# Altium PCB waffling80-MXHS.PcbDoc (part 1 of 4)
Units mm, origin at the board's own origin, x right, y up, seen from the top; angles counter-clockwise.
Board outline 343.71 x 124.25 mm, 2 copper layers (Component Side, Bottom Layer), stack 1.171 mm thick; 236 components, 142 nets, 2180 pads, 184 vias.
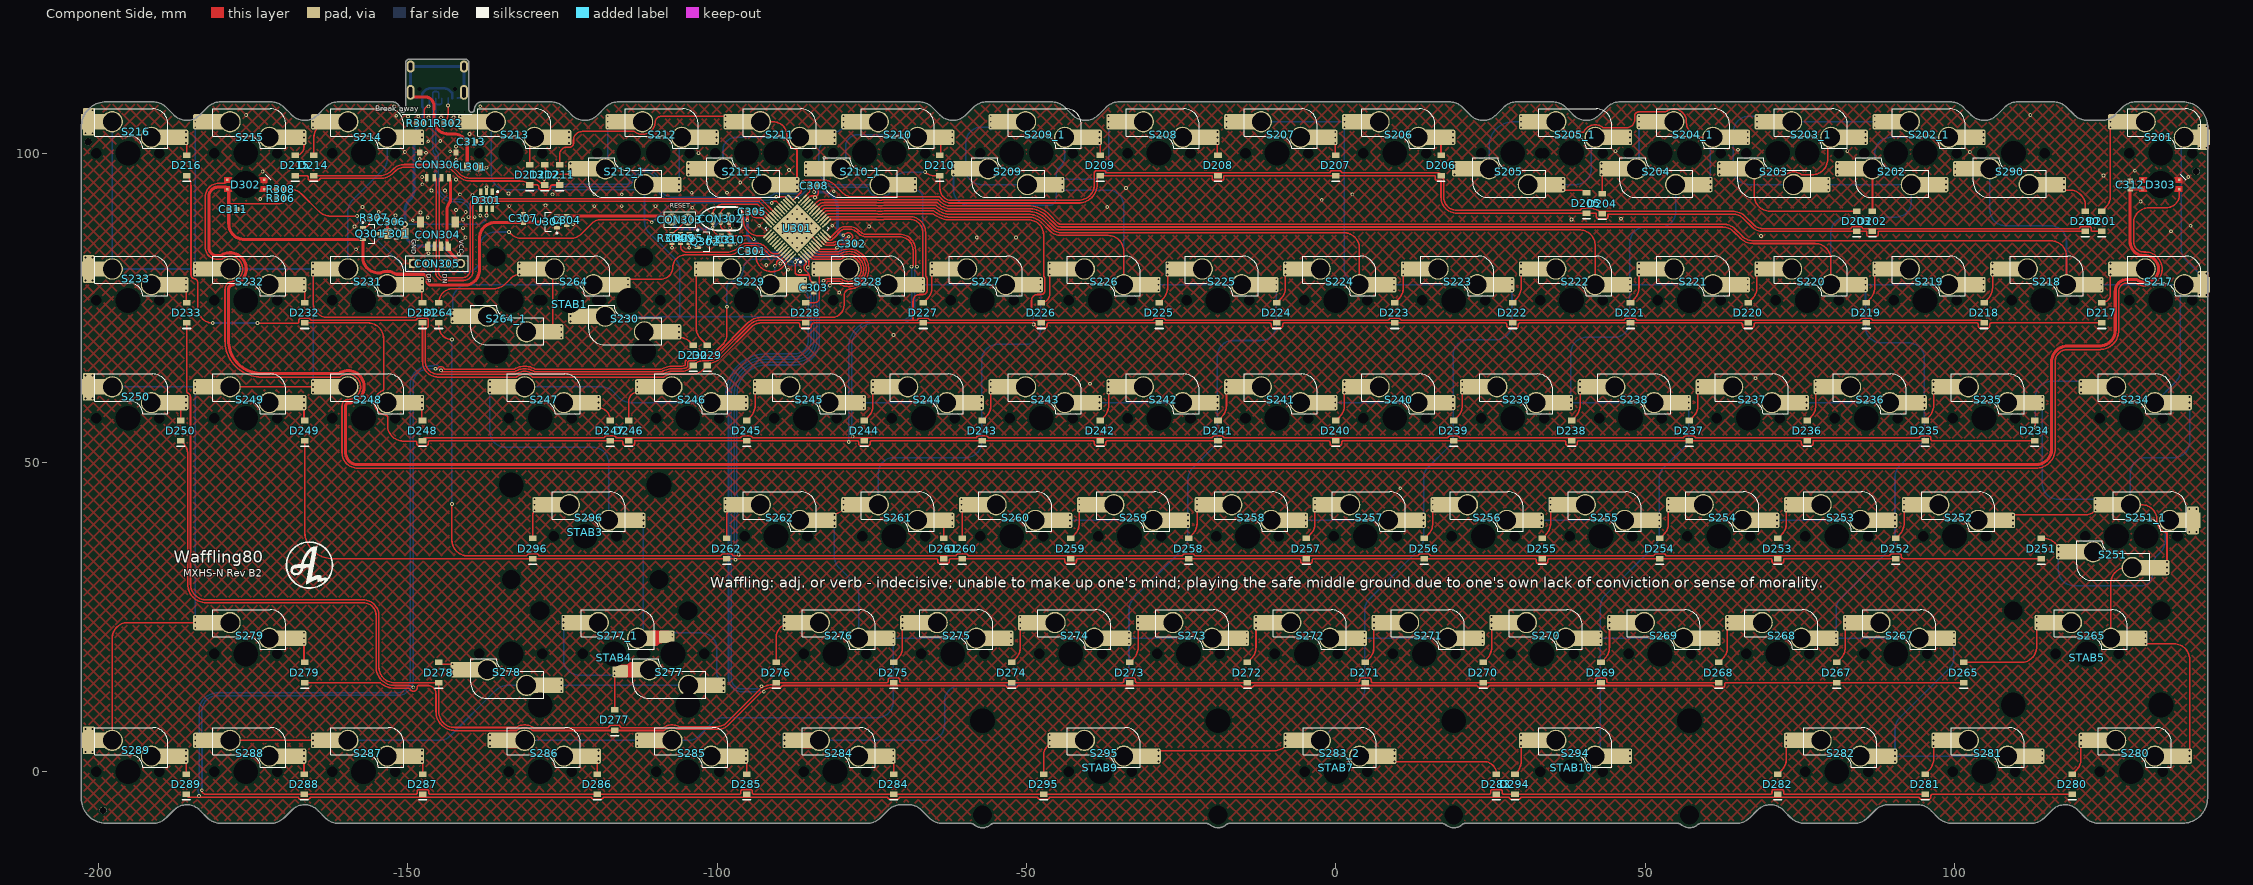
[diagram p0: Component Side view]
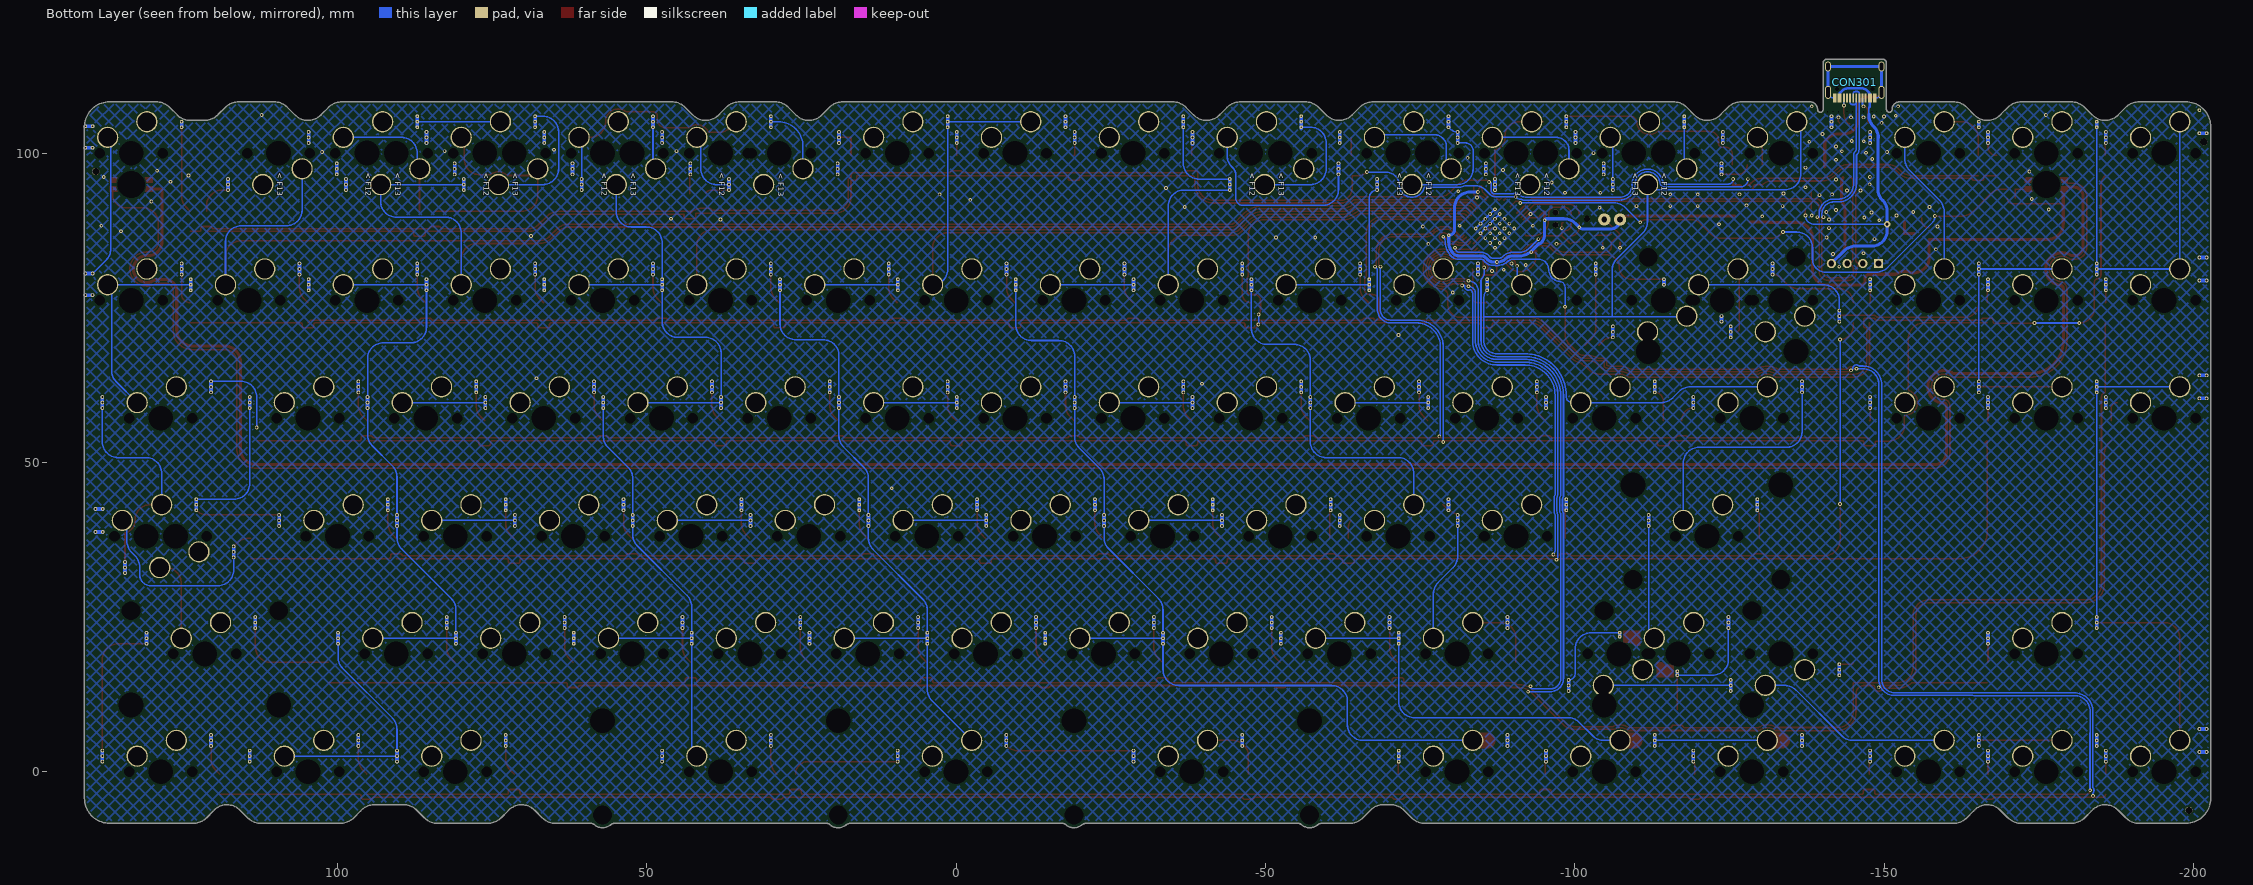
[diagram p1: Bottom Layer view, seen from below]

## Layer stack, top to bottom
Top Solder: solder mask 0.0102, Solder Resist, Dk 3.5
Component Side: signal copper 0.0356
Dielectric 1: core 1.1, FR-4, Dk 4.2
Bottom Layer: signal copper 0.0356
Solder Side: solder mask 0.0102, Solder Resist, Dk 3.5

## Board outline
-198.827,-8.32 ccw(c-198.826,-8.288) -198.826,-8.32 -198.827,-8.32 cw(c-198.763,-4.271) -202.813,-4.271 cw(c-202.763,-4.271) -202.813,-4.271 -202.813,104.255 cw(c-202.763,104.262) -202.813,104.262 cw(c-198.763,104.262) -198.763,108.312 -191.24,108.312 cw(c-191.24,105.196) -189.036,107.4 -187.966,106.33 cw(c-188.001,106.294) -187.963,106.327 ccw(c-185.737,108.262) -183.636,106.192 cw(c-183.598,106.154) -183.635,106.193 -182.428,107.4 cw(c-180.225,105.196) -180.225,108.312 -172.19,108.312 cw(c-172.19,105.196) -169.986,107.4 -168.916,106.33 cw(c-168.951,106.294) -168.913,106.327 ccw(c-166.687,108.262) -164.586,106.192 cw(c-164.548,106.154) -164.585,106.193 -163.378,107.4 cw(c-161.175,105.196) -161.175,108.312 -152.543,108.312 cw(c-152.543,107.056) -151.286,107.056 ccw(c-150.837,107.056) -150.387,107.056 -150.387,114.552 cw(c-149.727,114.552) -149.727,115.212 -140.787,115.212 cw(c-140.787,114.568) -140.143,114.568 -140.143,107.056 ccw(c-139.693,107.056) -139.243,107.056 cw(c-137.987,107.056) -137.987,108.312 -126.93,108.312 cw(c-126.93,105.196) -124.727,107.4 -123.657,106.33 cw(c-123.692,106.294) -123.654,106.327 ccw(c-121.428,108.262) -119.327,106.192 cw(c-119.288,106.154) -119.326,106.193 -118.119,107.4 cw(c-115.915,105.196) -115.916,108.312 cw(c-115.915,108.264) -115.915,108.312 -67.416,108.312 cw(c-67.416,105.196) -65.212,107.4 -64.142,106.33 cw(c-64.177,106.294) -64.139,106.327 ccw(c-61.913,108.262) -59.812,106.192 cw(c-59.774,106.154) -59.811,106.193 -58.604,107.4 cw(c-56.401,105.196) -56.401,108.312 -45.985,108.312 cw(c-45.985,105.196) -43.781,107.4 -42.711,106.33 cw(c-42.746,106.294) -42.708,106.327 ccw(c-40.482,108.262) -38.381,106.192 cw(c-38.343,106.154) -38.38,106.193 -37.173,107.4 cw(c-34.97,105.196) -34.971,108.312 cw(c-34.97,108.264) -34.97,108.312 17.21,108.312 18.295,108.312 cw(c18.295,105.196) 20.499,107.4 21.569,106.33 cw(c21.534,106.294) 21.572,106.327 ccw(c23.798,108.262) 25.899,106.192 cw(c25.937,106.154) 25.9,106.193 27.107,107.4 cw(c29.31,105.196) 29.31,108.312 34.978,108.312 cw(c34.978,105.196) 37.182,107.4 38.252,106.33 cw(c38.217,106.294) 38.255,106.327 ccw(c40.481,108.262) 42.582,106.192 cw(c42.62,106.154) 42.583,106.193 43.79,107.4 cw(c45.993,105.196) 45.993,108.312 47.844,108.312 cw(c47.844,108.262) 47.844,108.312 97.357,108.312 99.272,108.312 cw(c99.272,105.196) 101.476,107.4 102.546,106.33 cw(c102.512,106.295) 102.549,106.327 ccw(c104.775,108.262) 106.876,106.192 cw(c106.901,106.168) 106.877,106.193 108.084,107.4 cw(c110.287,105.196) 110.287,108.312 115.947,108.312 cw(c115.947,105.196) 118.151,107.4 119.181,106.37 cw(c119.146,106.334) 119.184,106.366 ccw(c121.444,108.262) 121.45,105.312 ccw(c121.45,105.421) 121.451,105.312 123.824,105.312 ccw(c123.851,108.324) 123.825,105.312 ccw(c123.826,105.572) 123.826,105.312 ccw(c123.824,108.262) 125.886,106.152 127.133,107.4 cw(c129.337,105.196) 129.337,108.312 136.842,108.312 cw(c136.849,108.263) 136.85,108.313 cw(c136.85,104.262) 140.9,104.262 cw(c140.877,104.262) 140.9,104.262 140.9,-4.263 cw(c140.85,-4.27) 140.9,-4.27 cw(c136.85,-4.27) 136.85,-8.32 123.355,-8.32 cw(c123.355,-5.204) 121.151,-7.408 120.081,-6.338 cw(c120.116,-6.302) 120.078,-6.335 ccw(c117.852,-8.27) 115.751,-6.2 cw(c115.713,-6.162) 115.75,-6.201 114.543,-7.408 cw(c112.34,-5.204) 112.34,-8.32 99.545,-8.32 cw(c99.545,-5.204) 97.341,-7.408 96.271,-6.338 cw(c96.307,-6.302) 96.269,-6.335 ccw(c94.043,-8.27) 94.142,-5.322 cw(c94.144,-5.272) 94.13,-5.32 89.297,-5.32 ccw(c89.297,-8.27) 87.195,-6.2 cw(c87.157,-6.162) 87.195,-6.201 85.988,-7.408 cw(c83.784,-5.204) 83.784,-8.32 75.735,-8.32 cw(c75.735,-5.204) 73.531,-7.408 72.461,-6.338 cw(c72.496,-6.302) 72.458,-6.335 ccw(c70.232,-8.27) 68.131,-6.2 cw(c68.093,-6.162) 68.13,-6.201 66.923,-7.408 cw(c64.72,-5.204) 64.72,-8.32 59.033,-8.32 ccw(c59.062,-9.201) 58.439,-8.578 cw(c58.403,-8.542) 58.435,-8.582 cw(c57.15,-6.985) 55.953,-8.649 cw(c55.959,-8.599) 55.924,-8.635 ccw(c55.164,-9.395) 55.196,-8.32 39.983,-8.32 cw(c39.982,-8.278) 39.982,-8.32 cw(c39.982,-8.27) 39.981,-8.32 20.933,-8.32 ccw(c20.962,-9.201) 20.339,-8.578 cw(c20.303,-8.542) 20.335,-8.582 cw(c19.05,-6.985) 17.853,-8.649 cw(c17.859,-8.599) 17.824,-8.635 ccw(c17.064,-9.395) 17.096,-8.32 -7.58,-8.32 -17.168,-8.32 ccw(c-17.168,-8.27) -17.167,-8.32 ccw(c-17.138,-9.201) -17.761,-8.578 cw(c-17.797,-8.542) -17.765,-8.582 cw(c-19.05,-6.985) -20.247,-8.649 cw(c-20.241,-8.599) -20.276,-8.635 ccw(c-21.036,-9.395) -21.004,-8.32 -40.015,-8.32 cw(c-40.015,-8.27) -40.015,-8.32 -54.649,-8.32 -55.238,-8.32 ccw(c-55.238,-9.201) -55.861,-8.578 cw(c-55.897,-8.542) -55.865,-8.582 cw(c-57.15,-6.986) -58.367,-8.635 cw(c-58.337,-8.594) -58.373,-8.63 ccw(c-59.121,-9.378) -59.121,-8.32 -63.579,-8.32 cw(c-63.578,-5.204) -65.782,-7.408 -66.869,-6.321 cw(c-66.833,-6.285) -66.871,-6.318 ccw(c-69.097,-8.253) -69.097,-5.303 cw(c-69.097,-5.253) -69.098,-5.303 -70.257,-5.303 ccw(c-70.257,-8.253) -72.359,-6.183 cw(c-72.397,-6.146) -72.359,-6.184 -73.583,-7.408 cw(c-75.787,-5.204) -75.787,-8.32 -161.184,-8.32 -161.185,-8.32 cw(c-161.185,-5.204) -163.389,-7.408 -164.459,-6.338 cw(c-164.424,-6.302) -164.462,-6.335 ccw(c-166.688,-8.27) -168.789,-6.2 cw(c-168.827,-6.162) -168.79,-6.201 -169.997,-7.408 cw(c-172.2,-5.204) -172.2,-8.32 -180.235,-8.32 cw(c-180.235,-5.204) -182.439,-7.408 -183.509,-6.338 cw(c-183.473,-6.302) -183.511,-6.335 ccw(c-185.737,-8.27) -187.839,-6.2 cw(c-187.877,-6.163) -187.84,-6.201 -189.046,-7.408 cw(c-191.25,-5.204) -191.25,-8.32 -198.755,-8.32 cw(c-198.762,-8.271) -198.763,-8.321 cw(c-198.763,-4.271)

## Design rules (kind name [scope] priority, off if disabled: settings)
BoardOutlineClearance [All] p1: gap=0.254 ignorepadtopadclearanceinfootprint=FALSE except(0: Arc-SplitContinuation Track-SplitContinuation SMDPad-SplitContinuation THPad-SplitContinuation Via-SplitContinuation Fill-SplitContinuation Poly-SplitContinuation Region-SplitContinuation Text-SplitContinuation)
Clearance [All] p1: gap=0.2 ignorepadtopadclearanceinfootprint=FALSE except(0: Arc-Hole Track-Hole SMDPad-Hole THPad-Hole Via-Hole Fill-Hole Poly-Hole Region-Hole Text-Hole; 0.254: THPad-THPad THPad-Via THPad-Fill THPad-Poly THPad-Region THPad-Text Via-Via Via-Fill Via-Poly Via-Region Via-Text Fill-Fill Fill-Poly Fill-Region Fill-Text Poly-Poly Poly-Region Poly-Text Region-Region Region-Text Text-Text)
ComponentClearance [InComponent('No Component') And OnLayer('Component Side')] p1: gap=0.254 collisioncheckmode=3 verticalgap=0.254 showdistances=FALSE
DiffPairsRouting DiffPairsRouting_USB [InDifferentialPairClass('All Differential Pairs')] p1: maxlimit=0.254 minlimit=0.203 mostfreqgap=0.203 toplayer_minwidth=0.152 toplayer_maxwidth=0.381 toplayer_prefwidth=0.152 bottomlayer_minwidth=0.152 bottomlayer_maxwidth=0.381 bottomlayer_prefwidth=0.152 maxuncoupledlength=12.7
DiffPairsRouting [All] p2: maxlimit=0.254 minlimit=0.254 mostfreqgap=0.254 toplayer_minwidth=0.381 toplayer_maxwidth=0.381 toplayer_prefwidth=0.381 bottomlayer_minwidth=0.381 bottomlayer_maxwidth=0.381 bottomlayer_prefwidth=0.381 maxuncoupledlength=12.7
HoleSize [All] p1: absolutevalues=TRUE maxlimit=20 minlimit=0.025 maxpercent=80.000 minpercent=20.000
MatchedLengths MatchedLengths_USB_DiffPairs_1 [All] p1: tolerance=0.127 checknetsindiffpair=TRUE checkdiffpairvsdiffpair=FALSE checkxsignals=FALSE checkothers=FALSE
MatchedLengths MatchedLengths_USB_DiffPairs [All] p2: tolerance=0.127 checknetsindiffpair=TRUE checkdiffpairvsdiffpair=FALSE checkxsignals=FALSE checkothers=FALSE
PolygonConnect PolygonConnect_1 [All vs IsVia] p1: connectstyle=Direct reliefconductorwidth=0.254 reliefentries=4 polygonreliefangle="90 Angle" airgapwidth=0.254
PolygonConnect [All] p2: connectstyle=Relief reliefconductorwidth=0.254 reliefentries=4 polygonreliefangle="90 Angle" airgapwidth=0.254
RoutingVias [All] p1: holewidth=0.711 width=1.27 viastyle="Through Hole" minholewidth=0.711 minwidth=1.27 maxholewidth=0.711 maxwidth=1.27
SolderMaskExpansion [All] p1: expansion=0.102 istentingtop=FALSE
Width [All] p1: maxlimit=2.54 minlimit=0.203 preferedwidth=0.254 minimp=50.000000 maximp=50.000000 favimp=50.000000
27 further rules are at their usual default settings.

## Classes and differential pairs
component class Designator: C201 C202 C203 C204 C205 C206 D201 D202 D203 D204 D205 D206 D207 D208 D209 D210 D211 D212 D213 D214 D215 D216 D217 D218 D219 D220 D221 D222 D223 D224 D225 D226 D227 D228 D229 D230 D231 D232 D233 D234 D235 D236 D237 D238 D239 D240 D241 D242 D243 D244 D245 D246 D247 D248 D249 D250 D251 D252 D253 D254 D255 D256 D257 D258 D259 D260 D261 D262 D264 D265 D267 D268 D269 D270 D271 D272 D273 D274 D275 D276 D277 D278 D279 D280 D281 D282 D283 D284 D285 D286 D287 D288 D289 D290 D294 D295 D296 S201 S202 S202_1 S203 S203_1 S204 S204_1 S205 S205_1 S206 S207 S208 S209 S209_1 S210 S210_1 S211 S211_1 S212 S212_1 S213 S214 S215 S216 S217 S218 S219 S220 S221 S222 S223 S224 S225 S226 S227 S228 S229 S230 S231 S232 S233 S234 S235 S236 S237 S238 S239 S240 S241 S242 S243 S244 S245 S246 S247 S248 S249 S250 S251 S251_1 S252 S253 S254 S255 S256 S257 S258 S259 S260 S261 S262 S264 S264_1 S265 S267 S268 S269 S270 S271 S272 S273 S274 S275 S276 S277 S277_1 S278 S279 S280 S281 S282 S283_2 S284 S285 S286 S287 S288 S289 S290 S294 S295 S296 STAB1 STAB3 STAB4 STAB5 STAB7 STAB9 STAB10
differential pair D: +D_P -D_N

## Components (designator, comment, footprint, x,y, rotation, side; value= is the part's Value field where it differs from the comment)
C301 "" C0603[1608] -94.35,84.151 r0 top value=0.1uF
C302 "" C0603[1608] -78.232,85.344 r180 top value=0.1uF
C303 "" C0603[1608] -84.383,78.248 r90 top value=0.1uF
C304 "" C0603[1608] -124.333,89.154 r90 top value=0.1uF
C305 "" C0603[1608] -94.361,90.551 r180 top value=0.1uF
C306 "" C0603[1608] -152.654,88.9 r180 top value=4.7uF
C307 "" C0603[1608] -131.319,89.456 r270 top value=1uF
C308 "" C0603[1608] -84.328,94.742 r180 top value=0.1uF
C309 "" C0603[1608] -105.918,86.233 r90 top value=4.7uF
C310 "" C0603[1608] -97.917,85.979 r270 top value=470nF
C311 "" C0603[1608] -178.263,90.912 r180 top value=0.1uF
C312 "" C0603[1608] 128.397,94.869 r270 top value=0.1uF
C313 "" C0603[1608] -139.749,101.876 r180 top value=0.1uF
CON301 "TYPE-C-31-M-12" TYPE-C-31-M-12 -145.257,108.92 r0 bottom
CON302 "TC2030-IDC" TC2030-IDC-NL -99.441,89.408 r0 top
CON303 "Header 2" HDR1X2 -104.775,89.281 r180 top
CON304 "Header 5" UDB_combo_JST_MOLEX -145.161,87 r180 top
CON305 "Header 4" HDR1X4 -141.478,82.169 r180 top
CON306 "Header 5" "Molex 781710004" -145.161,98.25 r180 top locked
D201 "Diode" SOD-123 123.824,89 r90 top
D202 "Diode" SOD-123 86.741,89 r90 top
D203 "Diode" SOD-123 84.201,89 r90 top
D204 "Diode" SOD-123 43.053,91.837 r90 top
D205 "Diode" SOD-123 40.513,91.948 r90 top
D206 "Diode" SOD-123 17,98.012 r90 top
D207 "Diode" SOD-123 -0.001,98.012 r90 top
D208 "Diode" SOD-123 -19.051,98.012 r90 top
D209 "Diode" SOD-123 -38.101,98.012 r90 top
D210 "Diode" SOD-123 -64.008,98.012 r90 top
D211 "Diode" SOD-123 -125.476,96.5 r90 top
D212 "Diode" SOD-123 -127.889,96.5 r90 top
D213 "Diode" SOD-123 -130.302,96.504 r90 top
D214 "Diode" SOD-123 -165.188,98.012 r90 top
D215 "Diode" SOD-123 -168.188,98.012 r90 top
D216 "Diode" SOD-123 -185.737,98.012 r90 top
D217 "Diode" SOD-123 123.824,74.2 r90 top
D218 "Diode" SOD-123 104.774,74.2 r90 top
D219 "Diode" SOD-123 85.724,74.2 r90 top
D220 "Diode" SOD-123 66.674,74.2 r90 top
D221 "Diode" SOD-123 47.624,74.2 r90 top
D222 "Diode" SOD-123 28.574,74.2 r90 top
D223 "Diode" SOD-123 9.524,74.2 r90 top
D224 "Diode" SOD-123 -9.526,74.2 r90 top
D225 "Diode" SOD-123 -28.576,74.2 r90 top
D226 "Diode" SOD-123 -47.626,74.2 r90 top
D227 "Diode" SOD-123 -66.676,74.2 r90 top
D228 "Diode" SOD-123 -85.726,74.2 r90 top
D229 "Diode" SOD-123 -101.6,67.31 r90 top
D230 "Diode" SOD-123 -103.861,67.31 r90 top
D231 "Diode" SOD-123 -147.637,74.2 r90 top
D232 "Diode" SOD-123 -166.688,74.2 r90 top
D233 "Diode" SOD-123 -185.737,74.2 r90 top
D234 "Diode" SOD-123 113,55.15 r90 top
D235 "Diode" SOD-123 95.249,55.15 r90 top
D236 "Diode" SOD-123 76.199,55.15 r90 top
D237 "Diode" SOD-123 57.149,55.15 r90 top
D238 "Diode" SOD-123 38.099,55.15 r90 top
D239 "Diode" SOD-123 19.049,55.15 r90 top
D240 "Diode" SOD-123 -0.001,55.15 r90 top
D241 "Diode" SOD-123 -19.051,55.15 r90 top
D242 "Diode" SOD-123 -38.101,55.15 r90 top
D243 "Diode" SOD-123 -57.151,55.15 r90 top
D244 "Diode" SOD-123 -76.201,55.15 r90 top
D245 "Diode" SOD-123 -95.251,55.15 r90 top
D246 "Diode" SOD-123 -114.301,55.15 r90 top
D247 "Diode" SOD-123 -117.3,55.15 r90 top
D248 "Diode" SOD-123 -147.637,55.15 r90 top
D249 "Diode" SOD-123 -166.688,55.15 r90 top
D250 "Diode" SOD-123 -186.69,55.15 r90 top
D251 "Diode" SOD-123 114,36.1 r90 top
D252 "Diode" SOD-123 90.487,36.1 r90 top
D253 "Diode" SOD-123 71.437,36.1 r90 top
D254 "Diode" SOD-123 52.387,36.1 r90 top
D255 "Diode" SOD-123 33.337,36.1 r90 top
D256 "Diode" SOD-123 14.287,36.1 r90 top
D257 "Diode" SOD-123 -4.763,36.1 r90 top
D258 "Diode" SOD-123 -23.813,36.1 r90 top
D259 "Diode" SOD-123 -42.863,36.1 r90 top
D260 "Diode" SOD-123 -60.413,36.1 r90 top
D261 "Diode" SOD-123 -63.413,36.1 r90 top
D262 "Diode" SOD-123 -98.431,36.1 r90 top
D264 "Diode" SOD-123 -145,74.2 r90 top
D265 "Diode" SOD-123 101.514,16.05 r90 top
D267 "Diode" SOD-123 80.962,16.05 r90 top
D268 "Diode" SOD-123 61.912,16.05 r90 top
D269 "Diode" SOD-123 42.862,16.05 r90 top
D270 "Diode" SOD-123 23.812,16.05 r90 top
D271 "Diode" SOD-123 4.762,16.05 r90 top
D272 "Diode" SOD-123 -14.288,16.05 r90 top
D273 "Diode" SOD-123 -33.338,16.05 r90 top
D274 "Diode" SOD-123 -52.388,16.05 r90 top
D275 "Diode" SOD-123 -71.438,16.05 r90 top
D276 "Diode" SOD-123 -90.488,16.05 r90 top
D277 "Diode" SOD-123 -116.586,8.382 r90 top
D278 "Diode" SOD-123 -145,16.05 r90 top
D279 "Diode" SOD-123 -166.688,16.05 r90 top
D280 "Diode" SOD-123 119.062,-2 r90 top
D281 "Diode" SOD-123 95.25,-2 r90 top
D282 "Diode" SOD-123 71.437,-2 r90 top
D283 "Diode" SOD-123 25.956,-2 r90 top
D284 "Diode" SOD-123 -71.496,-2 r90 top
D285 "Diode" SOD-123 -95.245,-2 r90 top
D286 "Diode" SOD-123 -119.375,-2 r90 top
D287 "Diode" SOD-123 -147.569,-2 r90 top
D288 "Diode" SOD-123 -166.746,-2 r90 top
D289 "Diode" SOD-123 -185.796,-2 r90 top
D290 "Diode" SOD-123 121.158,89 r90 top
D294 "Diode" SOD-123 28.956,-2 r90 top
D295 "Diode" SOD-123 -47.241,-2 r90 top
D296 "Diode" SOD-123 -129.789,36.1 r90 top
D301 "SRV05" SOT-23-6 -137.287,92.405 r90 top
D302 "SK6812MINI-E" "SK6812MINI-E - shaped" -176.213,94.932 r180 top
D303 "SK6812MINI-E" "SK6812MINI-E - shaped" 133.349,94.932 r180 top
F301 "Fuse Thermal" C1206[3216] -151.892,86.995 r0 top
L301 "Inductor" L0805 -139.446,97.79 r180 top
Q301 "PMOS-2" SOT-23-3 -156.083,86.995 r180 top
Q302 "2N7002 NMOS" SOT-23-3 -101.945,85.725 r180 top
R301 "Res1" R0603[1608] -147.955,104.868 r180 top value=5k1
R302 "Res1" R0603[1608] -143.51,104.868 r0 top value=5k1
R303 "Res1" R0603[1608] -99.314,85.979 r270 top value=10K
R304 "Res1" R0603[1608] -107.315,86.233 r270 top value=10K
R305 "Res1" R0603[1608] -104.536,86.233 r270 top value=100K
R306 "Res1" R0603[1608] -170.546,92.71 r180 top value=10K
R307 "Res1" R0603[1608] -155.448,89.535 r0 top value=10K
R308 "Res1" R0603[1608] -170.561,94.182 r0 top value=470
S201 "MX" "MXHS-SWITCH - 1U TOP LAYER - AS2 - S3"#1 133.35,100.012 r180 top
S202 "MX" "MXHS-switch - 1U Top layer - switched pol AS2"#1 90.488,100.012 r0 top
S202_1 "MX" "MXHS-switch - 1U Top layer - AS2"#1 95.251,100.012 r180 top
S203 "MX" "MXHS-switch - 1U Top layer - switched pol AS2"#1 71.438,100.012 r0 top
S203_1 "MX" "MXHS-switch - 1U Top layer - switched pol AS2"#1 76.201,100.012 r180 top
S204 "MX" "MXHS-switch - 1U Top layer - switched pol AS2"#1 52.388,100.012 r0 top
S204_1 "MX" "MXHS-switch - 1U Top layer - AS2"#1 57.151,100.012 r180 top
S205 "MX" "MXHS-switch - 1U Top layer - switched pol AS2"#2 28.575,100.012 r0 top
S205_1 "MX" "MXHS-switch - 1U Top layer - AS2"#2 38.1,100.012 r180 top
S206 "MX" "MXHS-switch - 1U Top layer - AS2"#2 9.525,100.012 r180 top
S207 "MX" "MXHS-switch - 1U Top layer - AS2"#2 -9.525,100.012 r180 top
S208 "MX" "MXHS-switch - 1U Top layer - AS2"#2 -28.575,100.012 r180 top
S209 "MX" "MXHS-switch - 1U Top layer - switched pol AS2"#1 -52.388,100.012 r0 top
S209_1 "MX" "MXHS-switch - 1U Top layer - switched pol AS2"#1 -47.625,100.012 r180 top
S210 "MX" "MXHS-switch - 1U Top layer - AS2"#1 -71.438,100.012 r180 top
S210_1 "MX" "MXHS-switch - 1U Top layer - switched pol AS2"#1 -76.2,100.012 r0 top
S211 "MX" "MXHS-switch - 1U Top layer - AS2"#1 -90.487,100.012 r180 top
S211_1 "MX" "MXHS-switch - 1U Top layer - AS2"#1 -95.25,100.012 r0 top
S212 "MX" "MXHS-switch - 1U Top layer - AS2"#1 -109.537,100.012 r180 top
S212_1 "MX" "MXHS-switch - 1U Top layer - switched pol AS2"#1 -114.3,100.012 r0 top
S213 "MX" "MXHS-switch - 1U Top layer - AS2"#2 -133.35,100.012 r180 top
S214 "MX" "MXHS-switch - 1U Top layer - switched pol AS2"#3 -157.162,100.012 r180 top